# KiCad board panel.kicad_pcb (continued)
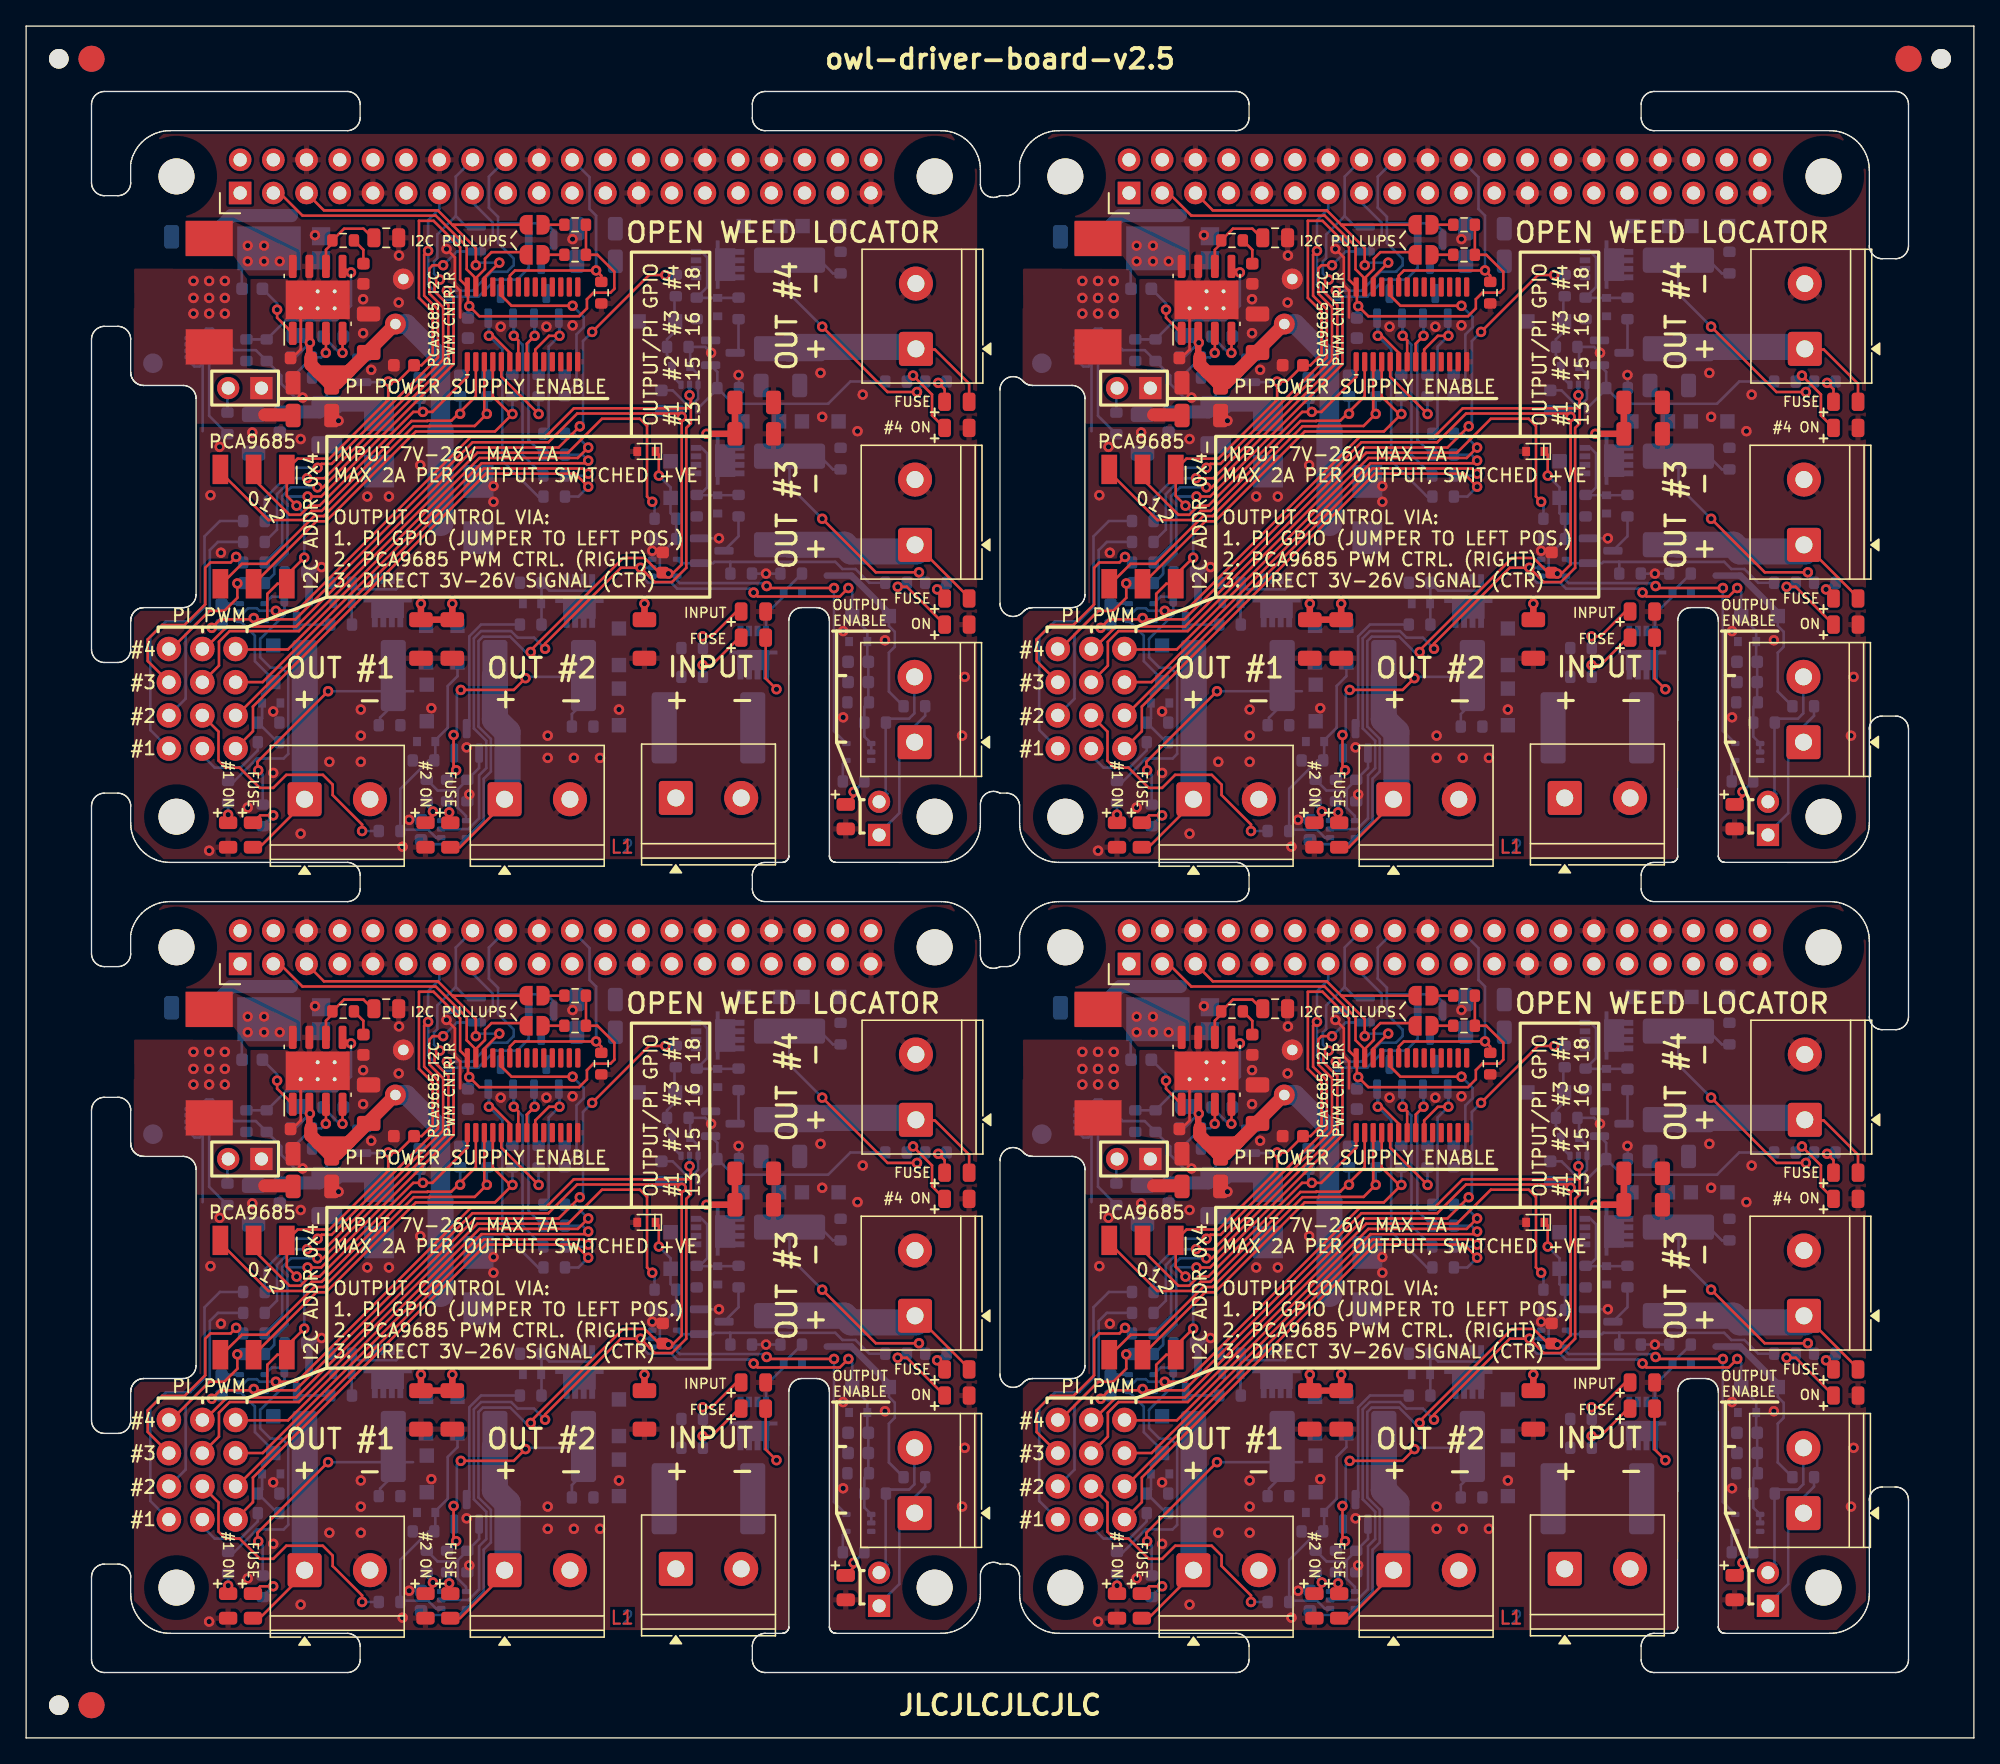
[diagram p0: board, top side]
## Routing (per net, layer and track width the routed paths; a pad name or vN(x,y) marks a point on that pad's centre or on a via; arc(x,y) is an arc through that point) (continued)
Board_3-VCC: length 58.6
  Top w0.5: C15#2.1 C16.1 v1(120.05,40.8) ; 115.3,26.58 v1(115.3,27.8) ; v1(98.2,27.8) 98.2,26.58 100.6,26.58 v1(100.6,27.8) ; 89.66,48.49 89.66,46.71
  Top w1: 94.12,47.03 92.75,45.65 ; 92.75,45.65 91.8,44.7 C18#4.1 91.18,44.7 90.34,45.54 ; 92.75,45.65 92.64,45.54 90.34,45.54 ; 90.34,45.54 89.78,46.1 C6#4.1 ; C8#2.1 94.2,47.15 C5#4.1
  Bottom w0.2: v1(89.71,47.77) 88.58,46.65 88.22,46.65 ; 134.45,26.4 D40#3.1 134,26.1 134.45,25.65 134.45,24.5 134,24.05 134,21.08 R48#4.1
  Bottom w0.5: 129.25,29.95 131.13,29.95 134,27.08 D40#3.1 ; 89.2,48.28 v1(89.71,47.77)
  Bottom w1.5: 99.7,41.2 99.7,46.6 97.1,49.2 C8#2.1
  Bottom w2: 99.7,41.1 99.7,33.98

## Copper pours and planes (outline as drawn; the poured copper is in the pictures)
Board_0-+5V on Top, Bottom: 16.9,111.7 16.9,104.85 19.11,104.49 19.16,100.57 8.23,100.57 8.23,109.45 8.27,109.45 8.26,112.45 17.19,112.42
Board_0-/M1_D on Bottom: 31.43,82.57 31.43,79.97 29.03,78.57 27.13,78.57 27.13,83.97 26.3,84.77 26.3,87.27 29.03,87.27 29.6,84.1
Board_0-/M2_D on Bottom: 45.95,82.6 45.95,80 43.56,78.6 41.65,78.6 41.65,84 40.9,84.9 40.9,87.2 43.6,87.2 44.1,84
Board_0-/M3_D on Bottom: 61.1,99.1 61.1,97.1 55.6,97.1 55,96.5 52.7,96.5 52.7,98.9 55.6,99.7 57,101.3 59.9,101.3
Board_0-/M4_D on Bottom: 61.1,114 61.1,112.1 55.7,112.1 55,111.5 52.7,111.5 52.7,114 55.7,114.5 57.1,116.3 60,116.3
Board_0-/PI_5V0_P on Bottom: 16.6,104.1 16.6,102.7 14.5,102.7 14.5,106 14,106 14,106.3 15.3,106.3
Board_0-/SW on Top: 20.7,113.7 20.7,111.9 17.03,111.9 15.88,113.4 12.2,113.4 12.2,116.1 15.8,116.1
Board_0-GND on Top, Bottom: 72.75,69.5 70.5,67.25 10.5,67.25 8.25,69.5 8.25,85.75 8.75,86.25 13.25,86.25 13.25,103.75 8.75,103.75 8.25,104.25 8.25,120.75 10.5,122.75 70.75,122.75 72.75,120
Board_0-Net-(D1-K) on Bottom: 58.1,74.6 52.65,74.6 52.65,83.3 58.1,83.3
Board_0-PI_5V0 on Bottom: 20,119.5 18.36,119.5 15.25,112.62 11,112.63 11.04,106.8 13.09,106.82 13.11,103.65 8.28,103.63 8.28,116.13 10.64,118.28 12.54,120.28 14.8,122.78 20,122.8
Board_0-VCC on Bottom: 56.5,89.81 61.65,89.8 61.65,81.25 54.75,81.25 54.75,81.25 50.25,81.25 50.25,81.25 17.6,81.28 17.7,90.6 21.96,90.6 27.75,93.25 41.7,93.25 42.6,95.3 42.6,99.1 42.7,116.5 56.55,116.51
Board_0-VIN on Bottom: 52.45,69.85 46.9,69.85 46.9,81 52.45,81.01
Board_1-+5V on Top, Bottom: 84.9,111.7 84.9,104.85 87.11,104.49 87.16,100.57 76.23,100.57 76.23,109.45 76.27,109.45 76.26,112.45 85.19,112.42
Board_1-/M1_D on Bottom: 99.43,82.57 99.43,79.97 97.03,78.57 95.13,78.57 95.13,83.97 94.3,84.77 94.3,87.27 97.03,87.27 97.6,84.1
Board_1-/M2_D on Bottom: 113.95,82.6 113.95,80 111.56,78.6 109.65,78.6 109.65,84 108.9,84.9 108.9,87.2 111.6,87.2 112.1,84
Board_1-/M3_D on Bottom: 129.1,99.1 129.1,97.1 123.6,97.1 123,96.5 120.7,96.5 120.7,98.9 123.6,99.7 125,101.3 127.9,101.3
Board_1-/M4_D on Bottom: 129.1,114 129.1,112.1 123.7,112.1 123,111.5 120.7,111.5 120.7,114 123.7,114.5 125.1,116.3 128,116.3
Board_1-/PI_5V0_P on Bottom: 84.6,104.1 84.6,102.7 82.5,102.7 82.5,106 82,106 82,106.3 83.3,106.3
Board_1-/SW on Top: 88.7,113.7 88.7,111.9 85.03,111.9 83.88,113.4 80.2,113.4 80.2,116.1 83.8,116.1
Board_1-GND on Top, Bottom: 140.75,69.5 138.5,67.25 78.5,67.25 76.25,69.5 76.25,85.75 76.75,86.25 81.25,86.25 81.25,103.75 76.75,103.75 76.25,104.25 76.25,120.75 78.5,122.75 138.75,122.75 140.75,120
Board_1-Net-(D1-K) on Bottom: 126.1,74.6 120.65,74.6 120.65,83.3 126.1,83.3
Board_1-PI_5V0 on Bottom: 88,119.5 86.36,119.5 83.25,112.62 79,112.63 79.04,106.8 81.09,106.82 81.11,103.65 76.28,103.63 76.28,116.13 78.64,118.28 80.54,120.28 82.8,122.78 88,122.8
Board_1-VCC on Bottom: 124.5,89.81 129.65,89.8 129.65,81.25 122.75,81.25 122.75,81.25 118.25,81.25 118.25,81.25 85.6,81.28 85.7,90.6 89.96,90.6 95.75,93.25 109.7,93.25 110.6,95.3 110.6,99.1 110.7,116.5 124.55,116.51
Board_1-VIN on Bottom: 120.45,69.85 114.9,69.85 114.9,81 120.45,81.01
Board_2-+5V on Top, Bottom: 16.9,52.7 16.9,45.85 19.11,45.49 19.16,41.57 8.23,41.57 8.23,50.45 8.27,50.45 8.26,53.45 17.19,53.42
Board_2-/M1_D on Bottom: 31.43,23.57 31.43,20.97 29.03,19.57 27.13,19.57 27.13,24.97 26.3,25.77 26.3,28.27 29.03,28.27 29.6,25.1
Board_2-/M2_D on Bottom: 45.95,23.6 45.95,21 43.56,19.6 41.65,19.6 41.65,25 40.9,25.9 40.9,28.2 43.6,28.2 44.1,25
Board_2-/M3_D on Bottom: 61.1,40.1 61.1,38.1 55.6,38.1 55,37.5 52.7,37.5 52.7,39.9 55.6,40.7 57,42.3 59.9,42.3
Board_2-/M4_D on Bottom: 61.1,55 61.1,53.1 55.7,53.1 55,52.5 52.7,52.5 52.7,55 55.7,55.5 57.1,57.3 60,57.3
Board_2-/PI_5V0_P on Bottom: 16.6,45.1 16.6,43.7 14.5,43.7 14.5,47 14,47 14,47.3 15.3,47.3
Board_2-/SW on Top: 20.7,54.7 20.7,52.9 17.03,52.9 15.88,54.4 12.2,54.4 12.2,57.1 15.8,57.1
Board_2-GND on Top, Bottom: 72.75,10.5 70.5,8.25 10.5,8.25 8.25,10.5 8.25,26.75 8.75,27.25 13.25,27.25 13.25,44.75 8.75,44.75 8.25,45.25 8.25,61.75 10.5,63.75 70.75,63.75 72.75,61
Board_2-Net-(D1-K) on Bottom: 58.1,15.6 52.65,15.6 52.65,24.3 58.1,24.3
Board_2-PI_5V0 on Bottom: 20,60.5 18.36,60.5 15.25,53.62 11,53.63 11.04,47.8 13.09,47.82 13.11,44.65 8.28,44.63 8.28,57.13 10.64,59.28 12.54,61.28 14.8,63.78 20,63.8
Board_2-VCC on Bottom: 56.5,30.81 61.65,30.8 61.65,22.25 54.75,22.25 54.75,22.25 50.25,22.25 50.25,22.25 17.6,22.28 17.7,31.6 21.96,31.6 27.75,34.25 41.7,34.25 42.6,36.3 42.6,40.1 42.7,57.5 56.55,57.51
Board_2-VIN on Bottom: 52.45,10.85 46.9,10.85 46.9,22 52.45,22.01
Board_3-+5V on Top, Bottom: 84.9,52.7 84.9,45.85 87.11,45.49 87.16,41.57 76.23,41.57 76.23,50.45 76.27,50.45 76.26,53.45 85.19,53.42
Board_3-/M1_D on Bottom: 99.43,23.57 99.43,20.97 97.03,19.57 95.13,19.57 95.13,24.97 94.3,25.77 94.3,28.27 97.03,28.27 97.6,25.1
Board_3-/M2_D on Bottom: 113.95,23.6 113.95,21 111.56,19.6 109.65,19.6 109.65,25 108.9,25.9 108.9,28.2 111.6,28.2 112.1,25
Board_3-/M3_D on Bottom: 129.1,40.1 129.1,38.1 123.6,38.1 123,37.5 120.7,37.5 120.7,39.9 123.6,40.7 125,42.3 127.9,42.3
Board_3-/M4_D on Bottom: 129.1,55 129.1,53.1 123.7,53.1 123,52.5 120.7,52.5 120.7,55 123.7,55.5 125.1,57.3 128,57.3
Board_3-/PI_5V0_P on Bottom: 84.6,45.1 84.6,43.7 82.5,43.7 82.5,47 82,47 82,47.3 83.3,47.3
Board_3-/SW on Top: 88.7,54.7 88.7,52.9 85.03,52.9 83.88,54.4 80.2,54.4 80.2,57.1 83.8,57.1
Board_3-GND on Top, Bottom: 140.75,10.5 138.5,8.25 78.5,8.25 76.25,10.5 76.25,26.75 76.75,27.25 81.25,27.25 81.25,44.75 76.75,44.75 76.25,45.25 76.25,61.75 78.5,63.75 138.75,63.75 140.75,61
Board_3-Net-(D1-K) on Bottom: 126.1,15.6 120.65,15.6 120.65,24.3 126.1,24.3
Board_3-PI_5V0 on Bottom: 88,60.5 86.36,60.5 83.25,53.62 79,53.63 79.04,47.8 81.09,47.82 81.11,44.65 76.28,44.63 76.28,57.13 78.64,59.28 80.54,61.28 82.8,63.78 88,63.8
Board_3-VCC on Bottom: 124.5,30.81 129.65,30.8 129.65,22.25 122.75,22.25 122.75,22.25 118.25,22.25 118.25,22.25 85.6,22.28 85.7,31.6 89.96,31.6 95.75,34.25 109.7,34.25 110.6,36.3 110.6,40.1 110.7,57.5 124.55,57.51
Board_3-VIN on Bottom: 120.45,10.85 114.9,10.85 114.9,22 120.45,22.01

## Text on the board
Bottom: L2
B.Silkscreen: M2.5 | + | 2025-01-13 | v2.5 | EN + | 1 | 2 | IN | 4 | 3 | EN | -
User.Comments: Dimensions taken from / https://github.com/raspberrypi/hats/blob/master/hat-board-mechanical.pdf | No | Copper Layer Count: | Board overall dimensions: | Min track/spacing: | Copper Finish: | Castellated pads: | Edge card connectors: | 2 | 149.0000 mm x 131.0000 mm | 0.2000 mm / 0.1500 mm | HAL lead-free | Board Thickness: | Min hole diameter: | Impedance Control: | Plated Board Edge: | 1.6000 mm | 0.3000 mm | V-CUT | BOARD CHARACTERISTICS
Top: L1
F.Silkscreen: FUSE | ON | I2C PULLUPS | OUTPUT / ENABLE | INPUT | #4 ON | PCA9685 I2C / PWM CNTRLR | #1 ON | #2 ON | INPUT 7V-26V MAX 7A / MAX 2A PER OUTPUT, SWITCHED +VE / OUTPUT CONTROL VIA: / 1. PI GPIO (JUMPER TO LEFT POS.) / 2. PCA9685 PWM CTRL. (RIGHT) / 3. DIRECT 3V-26V SIGNAL (CTR) | #4 | #3 | #2 | #1 | PI | PWM | PCA9685 | PI POWER SUPPLY ENABLE | OUTPUT/PI GPIO / #1  #2  #3  #4 / 13  15  16  18 | I2C ADDR 0x4_ | OUT #1 | + | - | OUT #2 | OPEN WEED LOCATOR | OUT #4 | OUT #3 | owl-driver-board-v2.5 | JLCJLCJLCJLC
